# KiCad board DecentXE.kicad_pcb (continued)
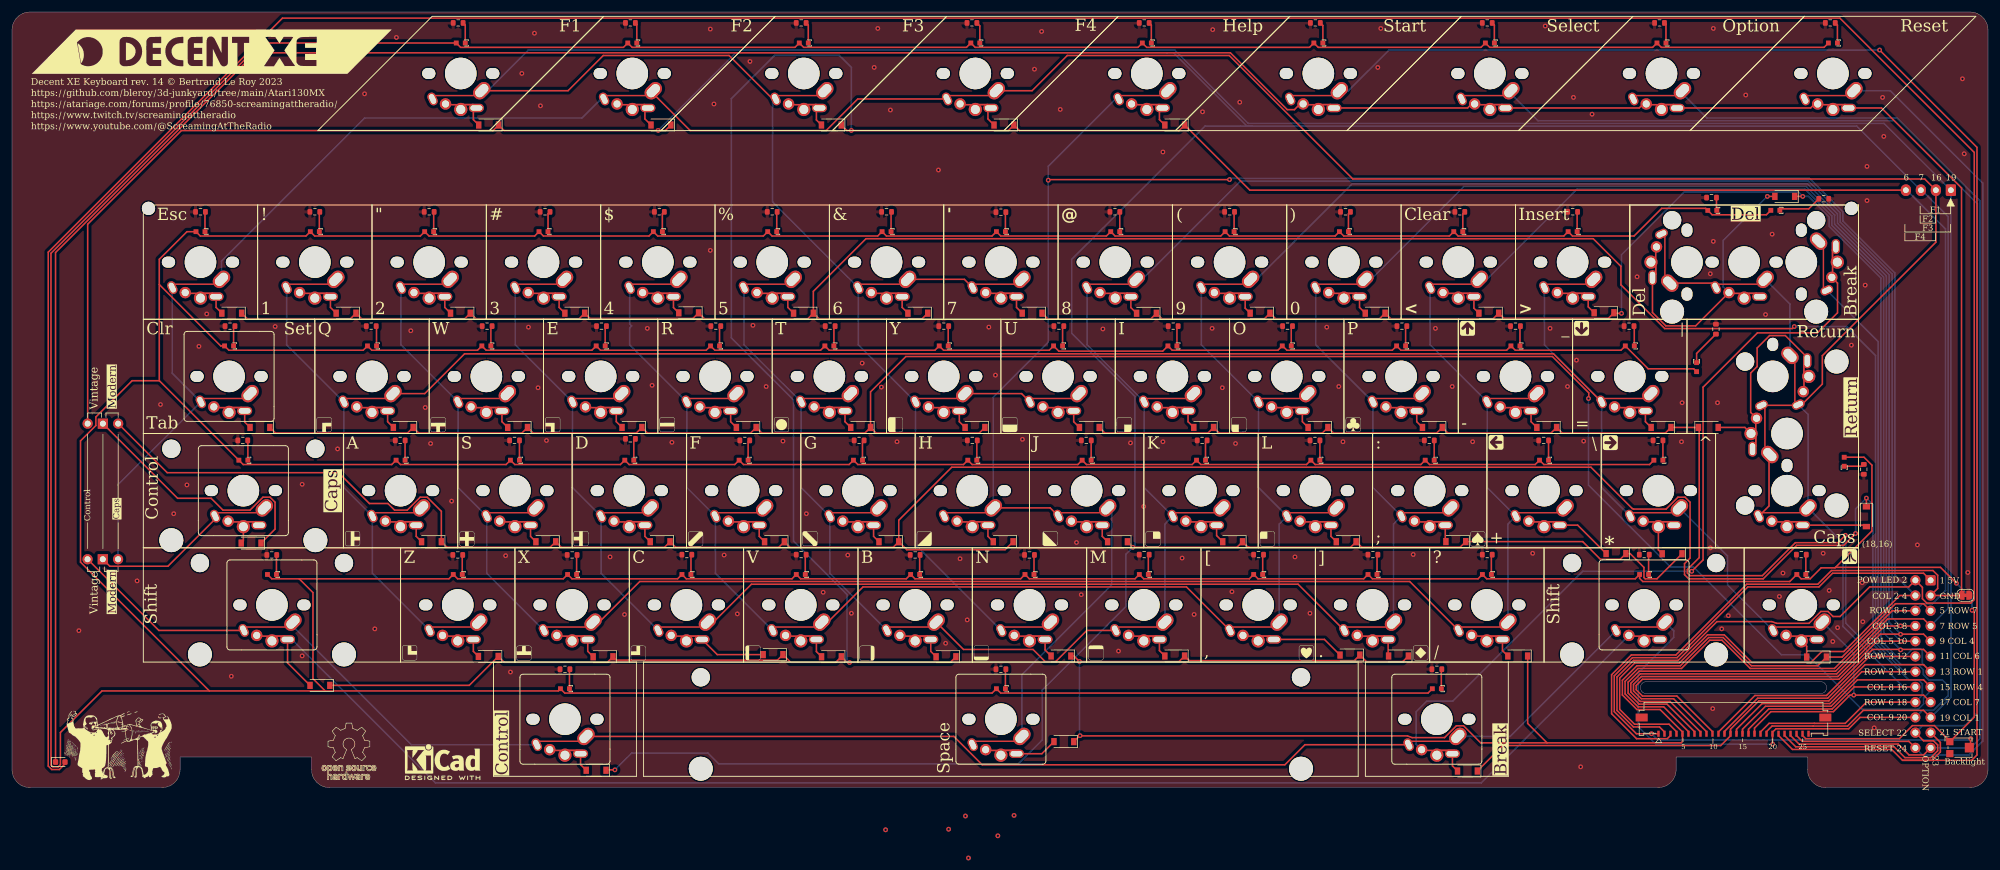
[diagram p0: board, top side]
## Footprints (pads in the part's own frame, mm; a bottom-side part is the same pattern mirrored in y, then rotated) (continued)
MX-6-25U-LED
  round 3.048 hole 3.048 unplated: (-50,1.905) (50,1.905)
  round 3.988 hole 3.988 unplated: (-50,-13.335) (50,-13.335)
  oval 2.2x1.8 hole 2.2x1.8 unplated: (-5.33,-5.08) (5.33,-5.08)
  round 5.25 hole 5.25 unplated: (0,-5.08)
  oval 1.4x2.2 hole 0.9x1.7 rot 25: 1(-4.7,-9.33)
  rect 6.833x0.229 smd: 1(-1.219,-8.763)
  oval 3.2x2.2 hole 2.5x1.5 rot 45: 1(3.5,-7.95)
  round 1.9 hole 1.2: 2(-2.54,-10.16)
  rect 1.312x0.254 smd: 2(-1.27,-10.287)
  round 2.2 hole 1.5: 2(0,-11.08)
  rect 1.758x0.284 smd: 2(1.26,-10.272)
  oval 2.5x1.4 hole 2x0.9: 2(2.6,-10.83)
  rect 0.8x0.8 smd: 3(0.75,0) 4(-0.75,0)
MX-ISO-RETURN
  round 3.048 hole 3.048 unplated: (-6.985,12) (-6.985,-12)
  round 5.25 hole 5.25 unplated: (0,0)
  oval 1.8x2.2 hole 1.8x2.2 unplated: (0,-5.33)
  round 3.988 hole 3.988 unplated: (8.255,12) (8.255,-12)
  oval 1.4x2.2 hole 0.9x1.7 rot 115: 1(-4.25,4.7)
  rect 0.229x6.833 smd: 1(-3.683,1.219)
  oval 3.2x2.2 hole 2.5x1.5 rot 135: 1(-2.87,-3.5)
  round 2.2 hole 1.5: 2(-6,0)
  oval 1.4x2.5 hole 0.9x2: 2(-5.75,-2.6)
  rect 0.254x1.312 smd: 2(-5.207,1.27)
  rect 0.284x1.758 smd: 2(-5.192,-1.26)
  round 1.9 hole 1.2: 2(-5.08,2.54)
PinHeader_1x03_P2.54mm_Horizontal
  round 1.7 hole 1: 1(0,0)
  rect 1.7x1.7 hole 1: 2(0,-2.54)
  oval 1.7x1.7 hole 1: 3(0,-5.08)
Potentiometer_Bourns_TC33X_Vertical
  rect 1.2x1.2 smd: 1(-1.8,1) 3(-1.8,-1)
  rect 1.5x1.6 smd: 2(1.45,0)
R_0603_1608Metric
  rrect 0.8x0.95 smd: 1(-0.825,0) 2(0.825,0)
SolderJumper-2_P1.3mm_Bridged_RoundedPad1.0x1.5mm
  custom 1x0.5 smd: 1(-0.65,0) 2(0.65,0)

## Nets
GND: D1.1 J1.3 J2.3 JP4.1 SWOption1.2 SWReset1.2 SWSelect1.2 SWStart1.2
VCC_LED: J2.25 RV1.1 SW0.4 SW1.4 SW2.4 SW3.4 SW4.4 SW5.4 SW6.4 SW7.4 SW8.4 SW9.4 SWA1.4 SWB1.4 SWBrk1.4 SWBrk2.4 SWC1.4 SWComma1.4 SWCps1.4 SWCtl1.4 SWCtlCaps1.4 SWD1.4 SWDash1.4 SWDel1.4 SWE1.4 SWEqual1.4 SWEsc1.4 SWF1.4 SWFn1.4 SWFn2.4 SWFn3.4 SWFn4.4 SWG1.4 SWGT1.4 SWH1.4 SWHlp1.4 SWI1.4 SWInv1.4 SWJ1.4 SWK1.4 SWL1.4 SWLeftSft1.4 SWLT1.4 SWM1.4 SWN1.4 SWO1.4 SWOption1.4 SWP1.4 SWPeriod1.4 SWPlus1.4 SWQ1.4 SWR1.4 SWReset1.4 SWRet1.4 SWRightSft1.4 SWS1.4 SWSelect1.4 SWSemi1.4 SWSlash1.4 SWSpc1.4 SWStar1.4 SWStart1.4 SWT1.4 SWTab1.4 SWU1.4 SWV1.4 SWW1.4 SWX1.4 SWY1.4 SWZ1.4
COL_1: J1.19 J2.19 J3.1 SW6.1 SW7.1 SWFn1.1 SWFn3.1 SWN1.1 SWU1.1 SWY1.1
COL_2: J1.4 J2.4 SWH1.1 SWHlp1.1 SWJ1.1 SWSpc1.1
COL_3: J1.8 J2.8 SW5.1 SW8.1 SWB1.1 SWG1.1 SWI1.1 SWK1.1 SWM1.1 SWT1.1
COL_4: J1.9 J2.9 SW4.1 SW9.1 SWComma1.1 SWF1.1 SWL1.1 SWO1.1 SWR1.1 SWV1.1
COL_5: J1.10 J2.10 SW0.1 SW3.1 SWC1.1 SWD1.1 SWE1.1 SWP1.1 SWPeriod1.1 SWSemi1.1
COL_6: J1.11 J2.11 SW2.1 SWDash1.1 SWLT1.1 SWPlus1.1 SWS1.1 SWSlash1.1 SWW1.1 SWX1.1
COL_7: J1.17 J2.17 SW1.1 SWA1.1 SWEqual1.1 SWGT1.1 SWInv1.1 SWQ1.1 SWStar1.1 SWZ1.1
COL_8: J1.16 J2.16 J3.2 JP1.1 SWCps1.1 SWDel1.1 SWDel2.1 SWEsc1.1 SWFn2.1 SWFn4.1 SWRet1.1 SWRet2.1 SWTab1.1
COL_9: J1.20 J2.20 JP1.3 SWBrk1.1 SWBrk2.1 SWCtl1.1 SWLeftSft1.1 SWRightSft1.1
LED_GND: J2.26 JP4.2 R1.2 R2.2 R3.2 R4.2 R5.2 R6.2 R7.2 R8.2 R9.2 R10.2 R11.2 R12.2 R13.2 R14.2 R15.2 R16.2 R17.2 R18.2 R19.2 R20.2 R21.2 R22.2 R23.2 R24.2 R25.2 R26.2 R27.2 R28.2 R29.2 R30.2 R31.2 R32.2 R33.2 R34.2 R35.2 R36.2 R37.2 R38.2 R39.2 R40.2 R41.2 R42.2 R43.2 R44.2 R45.2 R46.2 R47.2 R48.2 R49.2 R50.2 R51.2 R52.2 R53.1 R54.2 R55.2 R56.2 R57.2 R58.2 R59.2 R60.2 R61.2 R62.2 R63.2 R64.2 R65.2 R66.2 R67.2 R68.1
OPTION: J1.23 J2.23 SWOption1.1
POWER: J1.1 J2.1 RV1.2
PWR_LED: D1.2 J1.2 J2.2
RESET: J1.24 J2.24 SWReset1.1
ROW_1: D68.1 D79.1 D87.1 D95.1 D103.1 D111.1 D119.1 D126.1 J1.13 J2.13
ROW_2: D69.1 D80.1 D88.1 D96.1 D104.1 D112.1 D120.1 J1.14 J2.14
ROW_3: D70.1 D81.1 D89.1 D97.1 D105.1 D113.1 D121.1 J1.12 J2.12
ROW_4: D71.1 D82.1 D90.1 D98.1 D106.1 D114.1 D122.1 J1.15 J2.15
ROW_5: D72.1 D75.1 D83.1 D91.1 D99.1 D107.1 D115.1 D123.1 D127.1 J1.7 J2.7 J3.3 JP2.1
ROW_6: D76.1 D84.1 D92.1 D100.1 D108.1 D116.1 D124.1 J1.18 J2.18 JP2.3
ROW_7: D73.1 D77.1 D85.1 D93.1 D101.1 D109.1 D117.1 J1.5 J2.5
ROW_8: D74.1 D78.1 D86.1 D94.1 D102.1 D110.1 D118.1 D125.1 D128.1 J1.6 J2.6 J3.4
SELECT: J1.22 J2.22 SWSelect1.1
START: J1.21 J2.21 SWStart1.1
Net-(D2-A): D2.2 SWCtlCaps1.2
Net-(D2-K): D2.1 JP2.2
Net-(D68-A): D68.2 SW7.2
Net-(D69-A): D69.2 SW6.2
Net-(D70-A): D70.2 SWU1.2
Net-(D71-A): D71.2 SWY1.2
Net-(D72-A): D72.2 SWFn1.2
Net-(D73-A): D73.2 SWN1.2
Net-(D74-A): D74.2 SWFn3.2
Net-(D75-A): D75.2 SWJ1.2
Net-(D76-A): D76.2 SWH1.2
Net-(D77-A): D77.2 SWSpc1.2
Net-(D78-A): D78.2 SWHlp1.2
Net-(D79-A): D79.2 SW8.2
Net-(D80-A): D80.2 SW5.2
Net-(D81-A): D81.2 SWI1.2
Net-(D82-A): D82.2 SWT1.2
Net-(D83-A): D83.2 SWK1.2
Net-(D84-A): D84.2 SWG1.2
Net-(D85-A): D85.2 SWM1.2
Net-(D86-A): D86.2 SWB1.2
Net-(D87-A): D87.2 SW9.2
Net-(D88-A): D88.2 SW4.2
Net-(D89-A): D89.2 SWO1.2
Net-(D90-A): D90.2 SWR1.2
Net-(D91-A): D91.2 SWL1.2
Net-(D92-A): D92.2 SWF1.2
Net-(D93-A): D93.2 SWComma1.2
Net-(D94-A): D94.2 SWV1.2
Net-(D95-A): D95.2 SW0.2
Net-(D96-A): D96.2 SW3.2
Net-(D97-A): D97.2 SWP1.2
Net-(D98-A): D98.2 SWE1.2
Net-(D99-A): D99.2 SWSemi1.2
Net-(D100-A): D100.2 SWD1.2
Net-(D101-A): D101.2 SWPeriod1.2
Net-(D102-A): D102.2 SWC1.2
Net-(D103-A): D103.2 SWLT1.2
Net-(D104-A): D104.2 SW2.2
Net-(D105-A): D105.2 SWDash1.2
Net-(D106-A): D106.2 SWW1.2
Net-(D107-A): D107.2 SWPlus1.2
Net-(D108-A): D108.2 SWS1.2
Net-(D109-A): D109.2 SWSlash1.2
Net-(D110-A): D110.2 SWX1.2
Net-(D111-A): D111.2 SWGT1.2
Net-(D112-A): D112.2 SW1.2
Net-(D113-A): D113.2 SWEqual1.2
Net-(D114-A): D114.2 SWQ1.2
Net-(D115-A): D115.2 SWStar1.2
Net-(D116-A): D116.2 SWA1.2
Net-(D117-A): D117.2 SWInv1.2
Net-(D118-A): D118.2 SWZ1.2
Net-(D119-A): D119.2 SWDel1.2 SWDel2.2
Net-(D120-A): D120.2 SWEsc1.2
Net-(D121-A): D121.2 SWRet1.2 SWRet2.2
Net-(D122-A): D122.2 SWTab1.2
Net-(D123-A): D123.2 SWFn2.2
Net-(D124-A): D124.2 SWCps1.2
Net-(D125-A): D125.2 SWFn4.2
Net-(D126-A): D126.2 SWBrk1.2 SWBrk2.2
Net-(D127-A): D127.2 SWCtl1.2
Net-(D128-A): D128.2 SWLeftSft1.2 SWRightSft1.2
Net-(JP1-C): JP1.2 SWCtlCaps1.1
Net-(R1-Pad1): R1.1 SW7.3
Net-(R2-Pad1): R2.1 SW6.3
Net-(R3-Pad1): R3.1 SWU1.3
Net-(R4-Pad1): R4.1 SWY1.3
Net-(R5-Pad1): R5.1 SWFn1.3
Net-(R6-Pad1): R6.1 SWN1.3
Net-(R7-Pad1): R7.1 SWFn3.3
Net-(R8-Pad1): R8.1 SWJ1.3
Net-(R9-Pad1): R9.1 SWH1.3
Net-(R10-Pad1): R10.1 SWSpc1.3
Net-(R11-Pad1): R11.1 SWHlp1.3
Net-(R12-Pad1): R12.1 SW8.3
Net-(R13-Pad1): R13.1 SW5.3
Net-(R14-Pad1): R14.1 SWI1.3
Net-(R15-Pad1): R15.1 SWT1.3
Net-(R16-Pad1): R16.1 SWK1.3
Net-(R17-Pad1): R17.1 SWG1.3
Net-(R18-Pad1): R18.1 SWM1.3
Net-(R19-Pad1): R19.1 SWB1.3
Net-(R20-Pad1): R20.1 SW9.3
Net-(R21-Pad1): R21.1 SW4.3
Net-(R22-Pad1): R22.1 SWO1.3
Net-(R23-Pad1): R23.1 SWR1.3
Net-(R24-Pad1): R24.1 SWL1.3
Net-(R25-Pad1): R25.1 SWF1.3
Net-(R26-Pad1): R26.1 SWComma1.3
Net-(R27-Pad1): R27.1 SWV1.3
Net-(R28-Pad1): R28.1 SW0.3
Net-(R29-Pad1): R29.1 SW3.3
Net-(R30-Pad1): R30.1 SWP1.3
Net-(R31-Pad1): R31.1 SWE1.3
Net-(R32-Pad1): R32.1 SWSemi1.3
Net-(R33-Pad1): R33.1 SWD1.3
Net-(R34-Pad1): R34.1 SWPeriod1.3
Net-(R35-Pad1): R35.1 SWC1.3
Net-(R36-Pad1): R36.1 SWLT1.3
Net-(R37-Pad1): R37.1 SW2.3
Net-(R38-Pad1): R38.1 SWDash1.3
Net-(R39-Pad1): R39.1 SWW1.3
Net-(R40-Pad1): R40.1 SWPlus1.3
Net-(R41-Pad1): R41.1 SWS1.3
Net-(R42-Pad1): R42.1 SWSlash1.3
Net-(R43-Pad1): R43.1 SWX1.3
Net-(R44-Pad1): R44.1 SWGT1.3
Net-(R45-Pad1): R45.1 SW1.3
Net-(R46-Pad1): R46.1 SWEqual1.3
Net-(R47-Pad1): R47.1 SWQ1.3
Net-(R48-Pad1): R48.1 SWStar1.3
Net-(R49-Pad1): R49.1 SWA1.3
Net-(R50-Pad1): R50.1 SWInv1.3
Net-(R51-Pad1): R51.1 SWZ1.3
Net-(R52-Pad1): R52.1 SWDel1.3
Net-(R53-Pad2): R53.2 SWEsc1.3
Net-(R54-Pad1): R54.1 SWRet1.3
Net-(R55-Pad1): R55.1 SWTab1.3
Net-(R56-Pad1): R56.1 SWFn2.3
Net-(R57-Pad1): R57.1 SWCps1.3
Net-(R58-Pad1): R58.1 SWFn4.3
Net-(R59-Pad1): R59.1 SWRightSft1.3
Net-(R60-Pad1): R60.1 SWBrk1.3
Net-(R61-Pad1): R61.1 SWCtl1.3
Net-(R62-Pad1): R62.1 SWLeftSft1.3
Net-(R63-Pad1): R63.1 SWStart1.3
Net-(R64-Pad1): R64.1 SWSelect1.3
Net-(R65-Pad1): R65.1 SWOption1.3
Net-(R66-Pad1): R66.1 SWReset1.3
Net-(R67-Pad1): R67.1 SWCtlCaps1.3
Net-(R68-Pad2): R68.2 SWBrk2.3

Pads without a net: J2 MP; RV1 3

## Via types
v1: diameter 0.8, hole 0.4, Top to Bottom, 167 vias

## Routing (per net, layer and track width the routed paths; a pad name or vN(x,y) marks a point on that pad's centre or on a via; arc(x,y) is an arc through that point)
GND: length 563.4
  Top w0.25: 271.76,113.97 271.09,113.3 248.31,113.3 ; 300.32,113.97 299.65,113.3 276.9,113.3 ; 214.6,113.97 213.65,113.02 212.46,113.02 202.98,122.5 40.55,122.5 7.25,89.2 D1.1 ; 219.74,113.3 242.5,113.3 243.17,113.97 ; JP4.1 324.79,99.97 311.46,113.3 305.46,113.3 ; 324.75,32.02 J1.3 320.81,33.19 320.81,35.4 320.03,36.19 303.13,36.19 300.84,33.9 289,33.9 277.21,22.11 269.78,22.11 266.49,18.82 266.49,12.31 270.65,8.15 275.77,8.15 276.3,8.68
VCC_LED: length 1934.4
  Top w0.25: SWRet1.4 280.17,69.83 272.58,69.83 SWEqual1.4 268.05,72.91 250.45,72.91 SWDash1.4 249,72.91 231.4,72.91 SWP1.4 229.95,72.91 212.4,72.91 211.68,73.63 ; 47.84,34.8 43.28,34.8 SWLeftSft1.4 ; 47.84,34.8 50.14,32.5 50.14,18.15 52.17,16.12 ; 47.84,34.8 72.79,34.8 SWZ1.4 74.24,34.8 91.84,34.8 SWX1.4 93.29,34.8 110.89,34.8 SWC1.4 112.34,34.8 129.94,34.8 SWV1.4 131.39,34.8 148.99,34.8 SWB1.4 150.44,34.8 168.04,34.8 SWN1.4 169.49,34.8 187.09,34.8 SWM1.4 188.54,34.8 206.14,34.8 SWComma1.4 207.59,34.8 225.19,34.8 SWPeriod1.4 226.64,34.8 244.24,34.8 SWSlash1.4 245.69,34.8 270.43,34.8 SWRightSft1.4 271.16,34.88 271.69,34.35 296.17,34.35 SWInv1.4 298.07,34.8 299.57,34.8 301.4,36.63 303.71,36.63 303.79,36.71 ; 303.79,36.71 309.87,42.78 309.87,53.75 308.54,55.07 SWCps1.4 ; 303.79,36.71 321.29,36.71 v1(323.94,34.06) ; 32.88,16.12 14.99,16.12 8.07,9.19 8.07,3.83 7.7,3.46 6.81,3.46 6.49,3.78 6.49,89.07 41.55,124.13 SWFn1.4 74.74,123.41 101.86,123.41 SWFn2.4 103.31,123.41 130.44,123.41 SWFn3.4 131.89,123.41 159.01,123.41 SWFn4.4 160.46,123.41 187.59,123.41 SWHlp1.4 189.04,123.41 216.16,123.41 SWStart1.4 217.61,123.41 244.74,123.41 SWSelect1.4 246.19,123.41 273.32,123.41 SWOption1.4 274.77,123.41 301.89,123.41 SWReset1.4 ; 32.88,16.12 11.41,37.58 11.41,57.8 13.97,60.36 13.97,61.79 20.01,67.83 24.54,67.83 ; 32.88,16.12 52.17,16.12 ; 323.04,7.56 320.26,10.34 316.61,10.34 314.43,8.15 298.82,8.15 298.3,8.68 ; SWO1.4 210.9,72.91 193.3,72.91 SWI1.4 191.7,72.76 174.39,72.76 SWU1.4 172.8,72.91 155.2,72.91 SWY1.4 153.75,72.91 136.15,72.91 SWT1.4 134.7,72.91 117.1,72.91 SWR1.4 115.65,72.91 98.05,72.91 SWE1.4 96.6,72.91 79,72.91 SWW1.4 77.55,72.91 59.95,72.91 SWQ1.4 58.5,72.91 36.14,72.91 SWTab1.4 34.77,73.63 24.54,83.86 ; v1(326.54,29.56) 326.91,29.19 326.91,11.73 RV1.1 ; SWBrk1.4 292.28,95.5 283.24,95.5 SWDel1.4 282.18,96.56 274.84,96.56 270.24,91.95 259.97,91.95 SWGT1.4 258.52,91.95 240.93,91.95 SWLT1.4 239.47,91.95 221.88,91.95 SW0.4 220.43,91.95 202.82,91.95 SW9.4 201.38,91.95 183.77,91.95 SW8.4 182.32,91.95 164.73,91.95 SW7.4 163.27,91.95 145.68,91.95 SW6.4 144.23,91.95 126.63,91.95 SW5.4 125.17,91.95 107.58,91.95 SW4.4 106.13,91.95 88.53,91.95 SW3.4 87.08,91.95 69.47,91.95 SW2.4 68.03,91.95 50.42,91.95 SW1.4 48.97,91.95 31.38,91.95 SWEsc1.4 29.15,92.68 24.54,88.07 24.54,83.86 ; 24.54,67.83 24.54,83.86 ; 24.54,67.83 SWCtlCaps1.4 38.52,53.85 63.26,53.85 SWA1.4 64.71,53.85 82.31,53.85 SWS1.4 83.76,53.85 101.36,53.85 SWD1.4 102.81,53.85 120.41,53.85 SWF1.4 121.86,53.85 139.46,53.85 SWG1.4 140.91,53.85 158.51,53.85 SWH1.4 159.96,53.85 177.56,53.85 SWJ1.4 179.01,53.85 196.61,53.85 SWK1.4 198.06,53.85 215.66,53.85 SWL1.4 217.11,53.85 234.71,53.85 SWSemi1.4 236.16,53.85 253.76,53.85 SWPlus1.4 255.21,53.85 272.81,53.85 SWStar1.4 ; SWBrk2.4 235.9,15.75 164.73,15.75 SWSpc1.4 163.27,15.75 92.1,15.75 SWCtl1.4 91.01,16.12 52.17,16.12
  Bottom w0.25: v1(323.94,34.06) 326.54,31.46 v1(326.54,29.56)
(no net):
  vias: v1(145.54,-7.04) v1(156.04,-6.94) v1(158.84,-4.74) v1(159.34,-11.74) v1(164.24,-8.04) v1(166.94,-4.64)
COL_1: length 557.5
  Top w0.25: 126.71,114.8 119.46,122.05 98.5,122.05 92.63,116.18 77.76,116.18 ; J1.19 318.46,12.88 308.42,12.88 305.8,10.25 300.08,10.25 300.08,10.26 293.23,10.26 292.3,9.33 ; SWY1.1 168.19,65.68 SWU1.1 ; SW7.1 158.67,84.73 SW6.1
  Bottom w0.25: SWN1.1 150.52,40.49 150.52,64.3 141,73.83 SW6.1 126.71,97.64 126.71,114.8 ; SWFn1.1 79.26,116.18 86.04,122.96 193.7,122.96 205.94,110.72 311.89,110.72 J3.1 323.02,15.08 J1.19
COL_2: length 410.5
  Top w0.25: v1(202.84,101.36) 172.74,101.36 v1(172.64,101.26) ; J1.4 314.51,32.02 305.17,22.69 301.51,22.69 299.66,20.84 289.89,20.84 285.26,25.46 282.47,25.46 277.77,20.76 270.34,20.76 267.84,18.26 267.84,13.04 270.32,10.56 276.07,10.56 277.3,9.33 ; SWJ1.1 172.96,46.63 SWH1.1
  Bottom w0.25: 183.86,114.8 172.64,103.58 172.64,74.25 163.49,65.1 SWH1.1 ; J1.4 313.69,35.43 313.69,85.79 305.03,94.46 305.03,96 299.47,101.56 203.04,101.56 v1(202.84,101.36) ; 183.21,45.95 183.21,33.8 168.25,18.84 SWSpc1.1
COL_3: length 429.5
  Top w0.25: J1.8 311.97,26.94 303.99,18.96 271.27,18.96 269.69,17.38 269.69,15.94 271.27,14.36 276.22,14.36 281.3,9.28 ; SWB1.1 158.52,23.03 170.1,23.03 172.11,21.02 173.88,21.02 179.07,26.2 SWM1.1
  Bottom w0.25: 188.3,84.73 204.68,101.11 299.28,101.11 304.58,95.81 304.58,94.27 313.24,85.61 313.24,28.36 v1(314.64,26.96) ; SW8.1 179.1,73.83 SWI1.1 188.62,50.01 SWK1.1 192.06,43.92 SWM1.1 ; SWB1.1 136.24,35.72 SWG1.1 131.48,50.01 SWT1.1 121.95,73.83 SW5.1
COL_4: length 451.4
  Top w0.25: SWComma1.1 195.66,33.45 141.78,33.45 135.91,27.58 ; J1.9 318.46,25.58 311.25,25.58 304.18,18.51 271.45,18.51 270.14,17.2 270.14,16.12 271.45,14.81 276.82,14.81 282.3,9.33
  Bottom w0.25: SWV1.1 117.19,35.72 SWF1.1 112.42,50.01 112.42,64.3 102.9,73.83 102.9,76.62 103.24,76.96 102.9,77.3 SW4.1 ; SWComma1.1 211.11,43.92 SWL1.1 207.68,50.01 SWO1.1 198.15,73.83 SW9.1 ; v1(314.64,25.56) 314.64,25.63 312.71,27.56 312.71,85.49 304.13,94.08 304.13,95.63 299.09,100.66 223.28,100.66 207.35,84.73
COL_5: length 467.4
  Top w0.25: 283.3,9.33 277.37,15.26 271.64,15.26 270.59,16.31 270.59,17.01 271.64,18.06 304.37,18.06 310.71,24.4 314.4,24.4 314.44,24.36 314.48,24.4 J1.10 ; SWPeriod1.1 214.26,33.9 123.18,33.9 116.86,27.58
  Bottom w0.25: SWC1.1 98.14,35.72 SWD1.1 93.38,50.01 SWE1.1 83.85,73.83 SW3.1 ; v1(314.74,24.36) 312.26,26.83 312.26,85.31 303.64,93.93 303.64,95.41 303.68,95.44 298.91,100.21 241.88,100.21 226.4,84.73 ; SWPeriod1.1 230.16,43.92 SWSemi1.1 226.73,50.01 SWP1.1 217.2,73.83 SW0.1
COL_6: length 464.1
  Top w0.25: J1.11 318.46,23.03 309.98,23.03 302.3,15.35 290.38,15.35 284.3,9.28 ; SWSlash1.1 232.86,34.35 104.58,34.35 97.81,27.58
  Bottom w0.25: SWLT1.1 245.71,84.73 260.74,99.76 298.72,99.76 303.19,95.29 303.19,93.75 311.81,85.12 311.81,25.78 v1(314.64,22.96) ; SWX1.1 79.09,35.72 SWS1.1 74.33,50.01 SWW1.1 64.8,73.83 SW2.1 ; SWLT1.1 236.25,73.83 SWDash1.1 245.77,50.01 SWPlus1.1 249.21,43.92 SWSlash1.1
COL_7: length 392.7
  Top w0.25: SWEqual1.1 256.81,72.31 75.39,72.31 68.76,65.68 SWQ1.1 ; J1.17 318.46,15.41 v1(306.84,15.41) 306.2,15.41 303.44,12.65 293.03,12.65 290.3,9.92 J2.17
  Bottom w0.25: v1(306.84,15.41) 306.84,22.34 SWInv1.1 ; SWInv1.1 285.81,33.79 285.81,38.61 SWStar1.1 ; SWZ1.1 60.04,35.72 SWA1.1 55.28,50.01 55.28,64.3 45.75,73.83 SW1.1 ; SWGT1.1 255.3,73.83 SWEqual1.1 264.82,50.01 SWStar1.1
COL_8: length 525.1
  Top w0.25: SWDel1.1 283.12,84.1 SWDel2.1 ; 163.49,116.18 169.94,116.18 175.81,122.05 202.79,122.05 223.38,101.46 318.66,101.46 J3.2 320.52,90.92 301.6,72.01 301.6,67.28 298.17,63.85 ; 155.29,114.8 140.9,114.8 135.63,109.53 112.98,109.53 106.34,116.18 ; SWCps1.1 292.72,46.95 292.72,55.39 ; J2.16 289.3,9.73 292.68,13.1 303.24,13.1 306.91,16.78 J1.16 ; SWRet2.1 297.46,63.72
  Bottom w0.25: SWEsc1.1 26.7,69.06 SWTab1.1 17.67,50.51 JP1.1 ; SWDel2.1 296.21,80.6 SWRet1.1 ; SWEsc1.1 34.9,87.77 58.75,111.62 94.96,111.62 98.14,114.8 ; J1.16 315.12,16.78 305.04,26.86 305.04,40.81 SWCps1.1 299.22,62.22 SWRet1.1
COL_9: length 410.3
  Top w0.25: v1(293.34,7.24) 293.3,7.28 J2.20 ; SWLeftSft1.1 24.46,26.2 12.59,38.07 ; 293.3,9.22 293.88,9.8 305.99,9.8 307.88,11.7 J1.20 ; SWBrk2.1 215.4,7.15 212.06,3.8 161.64,3.8 156.91,8.53 SWCtl1.1
  Bottom w0.25: v1(293.34,7.24) 273.86,7.24 270.94,10.15 270.94,19.13 276.84,25.03 276.84,26.15 SWRightSft1.1 ; SWBrk2.1 249.59,8.53 267.21,26.14 ; 46.81,26.87 66.53,7.15 SWCtl1.1 ; J1.20 318.27,12.88 320.13,12.88 322.57,15.32 322.57,16.96 321.57,17.95 319.34,17.95 318.44,18.86 318.44,19.64 317.59,20.5 314.73,20.5 310.91,24.31 310.91,74.33 SWBrk1.1
LED_GND:
  vias: v1(11.14,26.16) v1(20.84,34.46) v1(24.74,63.86) v1(26.94,45.66) v1(29.14,50.46) v1(31.14,73.56) v1(32.44,78.96) v1(36.54,18.56) v1(43.84,76.86) v1(48.34,50.56) v1(48.34,21.96) v1(54.24,56.46) v1(58.74,115.66) v1(60.44,26.46) v1(64.04,125.06) v1(66.44,76.16) v1(68.84,63.36) v1(69.74,57.36) v1(73.24,47.76) v1(82.24,38.66) v1(83.04,19.26) v1(84.94,119.06) v1(86.04,76.76) v1(87.04,125.76) v1(87.64,66.66) v1(88.04,113.66) v1(89.04,57.86) v1(99.64,38.46) v1(102.04,28.86) v1(105.84,76.56) v1(106.64,67.06) v1(109.94,57.56) v1(116.34,126.46) v1(116.34,89.56) v1(116.94,113.96) v1(118.64,38.76) v1(120.84,28.96) v1(122.94,121.06) v1(123.44,77.06) v1(125.64,66.86) v1(128.44,57.76) v1(132.34,45.66) v1(135.14,32.56) v1(139.24,38.76) v1(139.84,29.06) v1(141.64,70.76) v1(143.64,120.06) v1(144.24,126.56) v1(144.84,66.76) v1(146.34,112.96) v1(147.44,57.66) v1(154.34,102.96) v1(155.54,24.06) v1(157.94,38.16) v1(159.14,27.96) v1(162.74,76.76) v1(163.84,68.76) v1(168.34,58.06) v1(170.34,119.76) v1(171.54,126.06) v1(174.64,113.06) v1(177.34,40.86) v1(178.14,32.16) v1(181.74,76.46) v1(184.34,22.76) v1(186.34,57.46) v1(188.54,46.86) v1(191.74,105.96) v1(191.74,57.66) v1(194.94,38.26) v1(196.94,28.86) v1(198.34,112.66) v1(199.94,76.56) v1(200.04,126.36) v1(201.64,66.66) v1(203.24,32.66) v1(203.84,57.36) v1(204.54,114.26) v1(213.74,38.46) v1(216.24,29.06) v1(219.04,76.76) v1(221.04,66.86) v1(221.74,57.66) v1(227.54,120.06) v1(228.04,126.56) v1(233.44,38.86) v1(237.14,76.56) v1(239.94,66.86) v1(243.34,57.66) v1(253.34,39.06) v1(255.44,126.96) v1(256.24,76.56) v1(259.14,66.86) v1(260.14,115.06) v1(260.64,71.26) v1(261.34,3.46) v1(261.84,57.76) v1(263.24,112.26) v1(270.74,85.16) v1(278.14,57.66) v1(278.24,64.16) v1(282.94,85.66) v1(282.94,39.96) v1(283.34,13.16) v1(283.44,126.56) v1(283.44,91.06) v1(284.14,64.16) v1(284.84,26.46) v1(285.94,28.66) v1(288.84,115.46) v1(292.14,78.86) v1(293.24,92.26) v1(294.44,31.86) v1(295.04,35.76) v1(301.74,39.06) v1(302.74,32.86) v1(303.34,24.36) v1(304.14,26.66) v1(306.44,73.76) v1(308.24,34.16) v1(308.34,27.66) v1(308.74,83.76) v1(309.04,103.56) v1(309.04,97.86) v1(310.24,9.96) v1(311.64,115.06) v1(311.84,108.56) v1(317.44,40.46) v1(324.94,118.16) v1(325.24,105.66) v1(325.84,35.86)
OPTION: length 181.4
  Top w0.25: 296.3,8.68 297.72,7.25 314.23,7.25 316.04,5.44 318.46,5.44 J1.23
  Bottom w0.25: J1.23 326.3,6.62 327.89,8.21 327.89,97.78 314.05,111.62 282.35,111.62 277.8,116.18
POWER: length 130.5
  Top w0.25: v1(326.34,8.16) 326.29,8.11 326.29,6.56 ; J1.1 318.46,35.73 303.31,35.73 301.03,33.45 289.18,33.45 277.39,21.66 269.97,21.66 266.94,18.63 266.94,12.66 270.62,8.98 v1(273.14,8.98) J2.1
  Bottom w0.25: v1(326.34,8.16) 326.14,7.96 274.16,7.96 v1(273.14,8.98)
PWR_LED: length 594.9
  Top w0.25: 275.3,9.28 274.47,10.11 270.13,10.11 267.39,12.85 267.39,18.45 270.15,21.21 277.58,21.21 284.04,27.67 293.18,27.67 293.98,27.38 299.39,27.38 301.36,29.36 302.54,29.36 303.38,28.52 304.56,28.52 309.49,33.45 315.99,33.45 J1.2 318.27,33.38 318.27,31.48 319,30.76 326.34,30.76 326.91,31.33 326.91,105.88 304.52,128.28 45.06,128.28 6.04,89.26 6.04,3.59 6.62,3.01 7.88,3.01 8.83,3.95
RESET: length 154.7
  Top w0.25: 297.3,8.68 298.27,7.7 316.02,7.7 J1.24
  Bottom w0.25: J1.24 318.27,5.44 326.02,5.44 328.34,7.76 328.34,100.76 312.92,116.18 306.36,116.18
ROW_1: length 322.6
  Top w0.25: J1.13 318.46,20.5 308.72,20.5 302.68,14.45 291.02,14.45 286.3,9.73 J2.13 ; D68.1 172.55,78.15 189.73,78.15 D79.1 191.56,78.17 208.65,78.17 D87.1 210.5,78.17 227.83,78.17 228.76,79.09 229.68,78.17 246.75,78.17 D103.1 248.53,78.24 265.96,78.24 D111.1 ; v1(268.14,79.06) 266.99,79.06 ; D126.1 248.37,7.01 284.68,7.01 286.3,8.63 ; D119.1 v1(298.34,98.56)
  Bottom w0.25: J1.13 318.27,20.69 318.27,22.82 317.94,23.16 316.64,23.16 315.34,21.86 314,21.86 311.37,24.49 311.37,84.94 302.74,93.56 302.74,95.11 299.29,98.56 v1(298.34,98.56) 297.62,99.28 278.59,99.28 268.14,88.84 v1(268.14,79.06)
ROW_2: length 404.3
  Top w0.25: J1.14 308.18,19.32 302.86,14 291.57,14 287.3,9.73 J2.14 ; D120.1 39.18,78.17 56.38,78.17 D112.1 58.23,78.17 75.43,78.17 D104.1 77.28,78.17 94.48,78.17 D96.1 96.28,78.22 113.45,78.22 D88.1 115.36,78.17 132.58,78.17 D80.1 ; D80.1 133.51,82.74 142.27,91.5 263.43,91.5 268.04,86.89 268.04,83.82 275.34,76.52 296.6,76.52 v1(296.93,76.86) ; D80.1 134.43,78.17 151.63,78.17 D69.1
  Bottom w0.25: v1(296.93,76.86) 305.64,76.86 310.46,72.03 310.46,24.12 315.27,19.32 J1.14
ROW_3: length 217.8
  Top w0.25: J1.12 309.44,21.86 302.48,14.9 290.84,14.9 285.3,9.37 J2.12 ; D121.1 D113.1 275.46,59.12 258.26,59.12 D105.1 256.41,59.12 239.21,59.12 D97.1 237.36,59.12 220.16,59.12 D89.1 218.31,59.12 201.11,59.12 D81.1 199.26,59.12 182.06,59.12 D70.1 ; v1(305.44,42.06) 304.21,40.83 297.11,40.83 291.62,35.33 279.54,35.33 279.12,35.76 279.12,36.36 281.09,38.34 281.09,59.9
  Bottom w0.25: v1(311.05,21.87) 305.49,27.43 305.49,42.01 v1(305.44,42.06)
ROW_4: length 380
  Top w0.25: D82.1 143.96,59.12 161.16,59.12 D71.1 ; D82.1 142.11,59.12 124.91,59.12 D90.1 123.06,59.12 105.86,59.12 D98.1 104.01,59.12 86.81,59.12 D106.1 84.96,59.12 67.76,59.12 D114.1 65.91,59.12 43.88,59.12 D122.1 ; D82.1 143.03,65.98 148.91,71.86 256.63,71.86 262.68,65.8 262.68,64.9 v1(262.64,64.86) ; J1.15 318.46,17.95 307.45,17.95 303.05,13.55 292.12,13.55 288.3,9.73 J2.15
  Bottom w0.25: 319.64,16.14 318.46,14.97 318.46,13.94 317.59,13.06 308.16,13.06 299.07,22.16 294.77,22.16 280.14,36.78 276.29,36.78 262.64,50.44 v1(262.64,64.86)
ROW_5: length 816.9
  Top w0.25: JP2.1 12.6,93.91 28.22,109.53 80.13,109.53 D72.1 81.98,109.53 108.83,109.53 D123.1 ; D115.1 274.04,34.8 272.09,34.8 271.88,35.02 271.88,36.71 269.58,39.01 D107.1 267.92,38.06 264.63,38.06 261.68,41.01 D99.1 241.26,40.08 224.84,40.08 D91.1 223.01,40.07 206.05,40.07 206.04,40.06 206.03,40.07 205.93,40.07 D83.1 204.08,40.07 186.76,40.07 186.76,40.06 v1(186.74,40.06) 186.74,40.08 D75.1 ; 280.3,9.33 275.72,13.91 271.08,13.91 269.24,15.75 269.24,17.57 271.08,19.41 303.81,19.41 312.51,28.11 318.46,28.11 J1.7 ; v1(100.44,2.96) 99.03,2.96
  Bottom w0.25: 206.64,110.28 205.75,110.28 193.52,122.51 120.59,122.51 v1(107.64,109.56) ; 206.64,110.28 307.34,110.28 J3.3 ; 206.64,110.28 198.75,110.28 176.54,88.06 176.54,75.75 187.06,65.22 187.06,40.38 v1(186.74,40.06) 185.56,38.88 185.56,30.18 171.64,16.26 171.64,7.94 167.66,3.96 117.74,3.96 115.94,5.76 103.24,5.76 v1(100.44,2.96) ; J1.7 322.57,29.87 322.57,95.17 318.14,99.6
ROW_6: length 428.9
  Top w0.25: J1.18 308.95,14.24 305.41,10.7 300.27,10.7 300.26,10.71 292.73,10.71 291.3,9.28 ; v1(307.14,42.36) 305.16,40.38 297.32,40.38 291.74,34.8 279.34,34.8 278.64,35.5 278.64,37.33 279.57,38.26 279.57,47.57 278.73,48.41 277.55,48.41 275.57,46.43 270.17,46.43 269.94,46.51 263.05,53.41 156.56,53.41 147.73,44.58 D84.1 ; D84.1 146.81,40.07 129.61,40.07 D92.1 127.76,40.07 110.56,40.07 D100.1 108.71,40.07 91.5,40.07 D108.1 89.66,40.07 72.46,40.07 D116.1 71.53,46.06 69.18,48.41 68,48.41 65.85,46.26 63.74,46.26 62.64,47.36 59.55,47.36 54.4,52.5 25.86,52.5 JP2.3 ; D84.1 149.06,39.66 165.45,39.66 166.78,40.99 ; D124.1 v1(308.94,48.26)
  Bottom w0.25: J1.18 318.27,15.41 318.27,17.27 317.59,17.95 315.99,17.95 310.01,23.93 310.01,47.19 v1(308.94,48.26) 307.14,46.46 v1(307.14,42.36)
ROW_7: length 268
  Top w0.25: D73.1 176.92,21.94 v1(177.84,21.02) 194.43,21.02 D85.1 196.13,21.17 223.63,21.17 D93.1 225.63,21.02 231.71,21.02 D101.1 ; J2.5 278.3,7.68 278.08,7.46 255.74,7.46 ; D77.1 177.85,8.62 232.46,8.62 233.26,8.33 238.66,8.33 240.64,10.31 241.82,10.31 244.67,7.46 255.74,7.46 ; 278.3,9.28 274.57,13.01 270.71,13.01 268.29,15.43 268.29,17.89 270.71,20.31 277.95,20.31 282.66,25.01 285.07,25.01 289.78,20.31 300.84,20.31 D117.1 304.89,21.76 313.78,30.66 318.46,30.66 J1.5 ; D109.1 252.51,10.69 255.74,7.46
  Bottom w0.25: v1(177.84,21.02) 177.84,8.76 v1(177.94,8.66)
ROW_8: length 577.5
  Top w0.25: D128.1 76.17,17.04 D118.1 81.98,20.89 99.19,20.89 D110.1 100.69,21.25 127.51,21.25 D102.1 129.72,20.89 137.24,20.89 D94.1 139.09,20.89 139.51,20.89 v1(139.54,20.86) 139.57,20.89 156.33,20.89 D86.1 ; J1.6 313.24,29.48 303.62,19.86 289.59,19.86 284.89,24.56 282.84,24.56 278.14,19.86 270.89,19.86 268.74,17.71 268.74,15.61 270.89,13.46 275.17,13.46 279.3,9.33 ; J3.4 206.22,99.6 D78.1 194.43,109.53 167.83,109.53 D125.1 165.98,109.53 139.08,109.53 D74.1
  Bottom w0.25: 315.64,99.6 322.12,93.12 322.12,32.84 319.94,30.66 318.28,30.66 J1.6 ; v1(139.84,109.56) 139.84,120.06 137.84,122.06 127.04,122.06 119.85,114.86 119.85,74.97 130.2,64.61 130.2,41.1 139.12,32.19 139.12,21.28 v1(139.54,20.86)
SELECT: length 215.7
  Top w0.25: J1.22 318.46,7.79 320.13,7.79 320.81,7.11 320.81,6.13 319.68,5 315.37,5 313.56,6.8 297.18,6.8 295.3,8.68
  Bottom w0.25: 249.21,116.18 254.22,111.17 313.58,111.17 327.44,97.32 327.44,12.46 325.31,10.34 318.27,10.34 J1.22
START: length 263
  Top w0.25: J1.21 321.26,7.53 321.26,5.95 319.86,4.54 314.96,4.54 ; v1(311.14,122.96) 327.37,106.73 327.37,5.44 326.47,4.54 314.96,4.54 ; 314.96,4.54 313.16,6.35 296.62,6.35 294.3,8.68
  Bottom w0.25: SWStart1.1 222.63,116.18 229.41,122.96 v1(311.14,122.96)
Net-(D2-A): length 2.9
  Top w0.25: D2.2 38.54,41.11 SWCtlCaps1.2
Net-(D2-K): length 43.7
  Top w0.25: JP2.2 27.59,48.22 33.17,48.22 35.14,46.26 39.65,46.26 41.81,48.41 42.99,48.41 43.82,47.57 43.82,43.09 D2.1
Net-(D68-A): length 3.2
  Top w0.25: SW7.2 167.35,80.05 D68.2
Net-(D69-A): length 3.2
  Top w0.25: D69.2 148.3,80.05 SW6.2
Net-(D70-A): length 3.2
  Top w0.25: 176.88,62.8 176.88,61 D70.2
Net-(D71-A): length 3.2
  Top w0.25: D71.2 157.82,61 SWY1.2
Net-(D72-A): length 3.2
  Top w0.25: D72.2 76.86,111.35 76.86,113.3
Net-(D73-A): length 3.2
  Top w0.25: D73.2 172.11,22.94 SWN1.2
Net-(D74-A): length 3.2
  Top w0.25: 134.01,113.3 134.01,111.3 D74.2
Net-(D75-A): length 3.1
  Top w0.25: SWJ1.2 181.64,41.88 D75.2
Net-(D76-A): length 3.1
  Top w0.25: SWH1.2 162.59,41.88 D76.2
Net-(D77-A): length 7.1
  Top w0.25: D77.2 171.58,5.65 SWSpc1.2
Net-(D78-A): length 3.2
  Top w0.25: 191.16,113.3 191.16,111.35 D78.2
Net-(D79-A): length 3.2
  Top w0.25: D79.2 186.4,80.03 SW8.2
Net-(D80-A): length 3.2
  Top w0.25: D80.2 129.25,80.05 SW5.2
Net-(D81-A): length 3.2
  Top w0.25: D81.2 195.93,61 SWI1.2
Net-(D82-A): length 3.2
  Top w0.25: D82.2 138.77,61 SWT1.2
Net-(D83-A): length 3.2
  Top w0.25: SWK1.2 200.69,42.01 D83.2
Net-(D84-A): length 3.1
  Top w0.25: D84.2 143.54,41.88 SWG1.2
Net-(D85-A): length 3.1
  Top w0.25: SWM1.2 191.16,22.83 D85.2
Net-(D86-A): length 3.3
  Top w0.25: SWB1.2 153.06,22.71 D86.2
Net-(D87-A): length 3.1
  Top w0.25: SW9.2 205.45,79.92 D87.2
Net-(D88-A): length 3.1
  Top w0.25: D88.2 110.2,80.02 SW4.2
Net-(D89-A): length 3.2
  Top w0.25: D89.2 214.98,61 SWO1.2
Net-(D90-A): length 3.2
  Top w0.25: D90.2 119.73,61 SWR1.2
Net-(D91-A): length 3.1
  Top w0.25: SWL1.2 219.74,41.88 D91.2
Net-(D92-A): length 3.1
  Top w0.25: SWF1.2 124.49,41.88 D92.2
Net-(D93-A): length 12.1
  Top w0.25: SWComma1.2 218.65,24.7 D93.2
Net-(D94-A): length 3.2
  Top w0.25: SWV1.2 134.01,22.67 D94.2
Net-(D95-A): length 3.2
  Top w0.25: D95.2 224.5,80.05 SW0.2
Net-(D96-A): length 3.2
  Top w0.25: SW3.2 91.15,80.05 D96.2
Net-(D97-A): length 3.2
  Top w0.25: D97.2 234.02,61 SWP1.2
Net-(D98-A): length 3.2
  Top w0.25: SWE1.2 100.67,61 D98.2
Net-(D99-A): length 2.6
  Top w0.25: SWSemi1.2 238.79,41.11
Net-(D100-A): length 3.1
  Top w0.25: SWD1.2 105.44,41.88 D100.2
Net-(D101-A): length 2.7
  Top w0.25: SWPeriod1.2 229.26,22.02
Net-(D102-A): length 11.2
  Top w0.25: D102.2 117.49,22.17 SWC1.2
Net-(D103-A): length 3.1
  Top w0.25: SWLT1.2 243.55,79.92 D103.2
Net-(D104-A): length 3.2
  Top w0.25: D104.2 72.1,80.05 SW2.2
Net-(D105-A): length 3.2
  Top w0.25: D105.2 253.07,61 SWDash1.2
Net-(D106-A): length 3.2
  Top w0.25: SWW1.2 81.62,61 D106.2
Net-(D107-A): length 9.7
  Top w0.25: D107.2 260.84,43.75 SWPlus1.2
Net-(D108-A): length 3.1
  Top w0.25: D108.2 86.39,41.88 SWS1.2
Net-(D109-A): length 3.1
  Top w0.25: D109.2 248.31,22.83 SWSlash1.2
Net-(D110-A): length 3.3
  Top w0.25: D110.2 95.91,22.72 SWX1.2
Net-(D111-A): length 3.1
  Top w0.25: SWGT1.2 262.6,80.15 D111.2
